# Altium PCB PicoPrint.PcbDoc (part 2 of 3)
Units mm, origin at the board's own origin, x right, y up, seen from the top; angles counter-clockwise.
Board outline 110 x 64 mm, 4 copper layers (Component Side, Ground Plane, Power Plane, Solder Side), stack 0.844 mm thick; 295 components, 209 nets, 1313 pads, 473 vias.
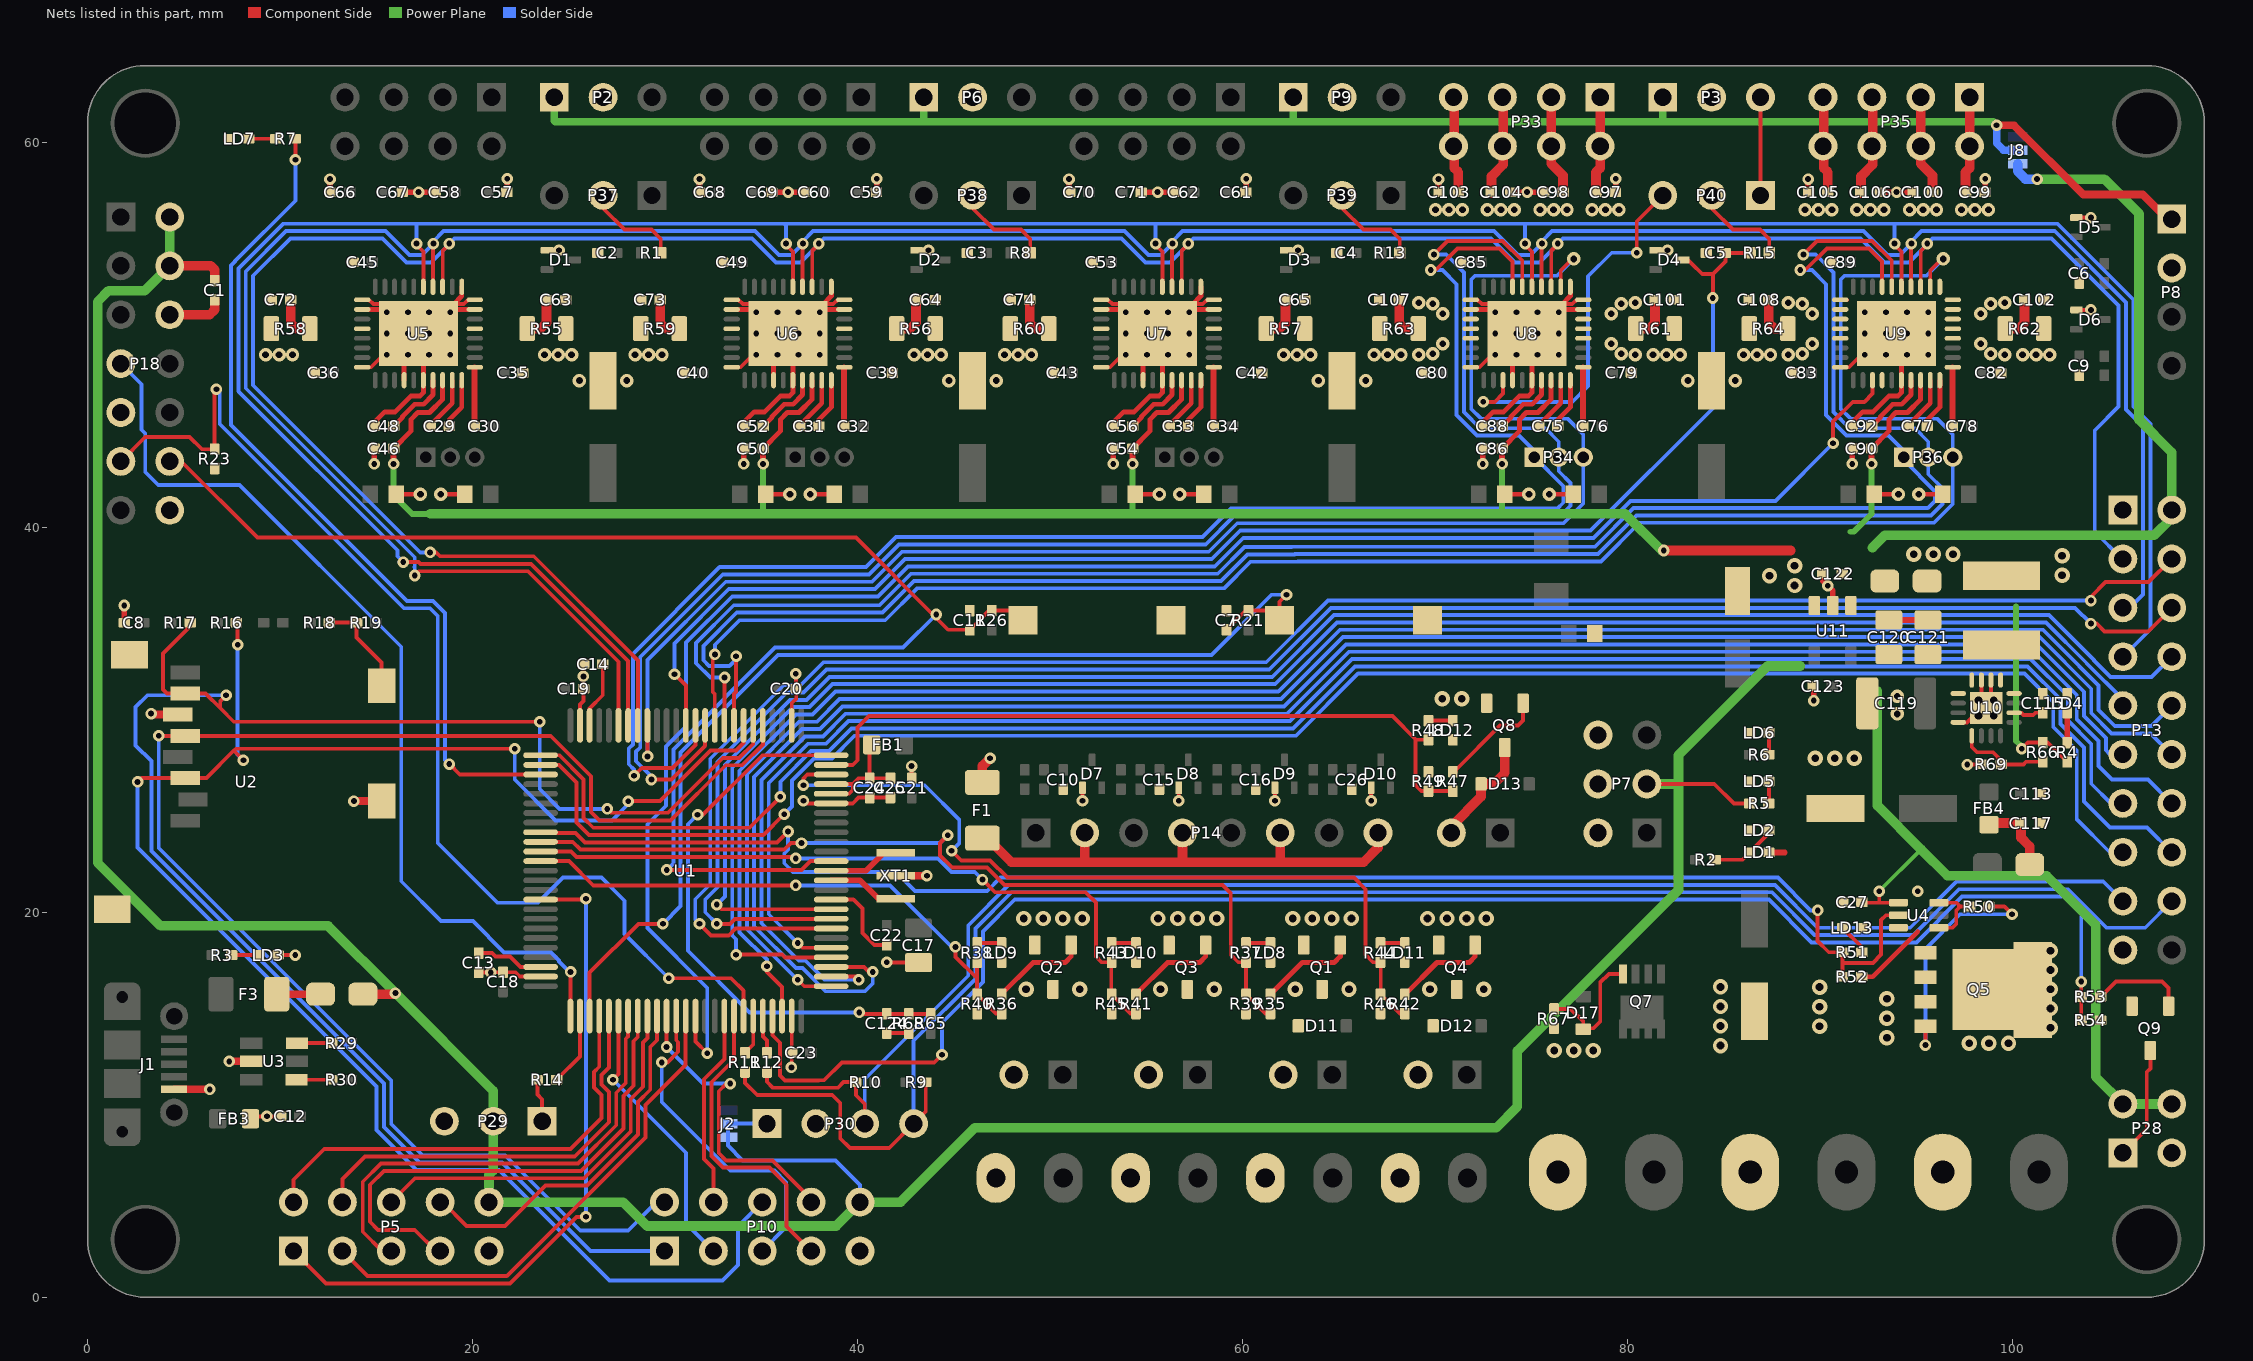
[diagram p4: the nets of this part, all layers, seen from the top]

## Via types
v1: diameter 0.6, hole 0.3, Component Side to Solder Side, tented both sides, 217 vias
v2: diameter 0.7, hole 0.35, Component Side to Solder Side, tented both sides, 180 vias
v3: diameter 0.8, hole 0.4, Component Side to Solder Side, tented both sides, 76 vias

## Nets (pads, with @x,y where several pads share a name; then routed paths per layer and width w, separated by ;. In a path a pad name is that pad's centre, name@x,y a point inside that pad or via, vN(x,y) a via of type N, cw(c..) or ccw(c..) an arc to the next point about the centre after c; other vN are vias at no path point) (continued)
+5V: C1.2 C27.1 C46.2 C50.2 C54.2 C86.2 C90.2 C122.2 D14.K D16.K J2.3 J8.3 P5.10 P7.3 P10.10 P13.2 P18.2 P18.4 P28.2 P28.4 P29.2 R5.2 U4.1 U5.26 U6.26 U7.26 U8.26 U9.26 U11.1 U11.3 | length 370.5
  Component Side w0.2: P7.3@81.026,26.67 84.53,26.67 85.546,25.654 R5.2@86.368,25.654 ; C27.1@92.194,20.523 92.217,20.5 93.1,20.5 ; v1(93.1,21.1) 93.1,20.5 ; U4.1@94.1,20.5 93.1,20.5
  Component Side w0.25: C46.2@15.9,44.1 16.8,45 16.8,45.6 17.17,45.97 17.77,45.97 18.45,46.65 U5.26@18.45,47.65 ; C50.2@35.1,44.1 36,45 36,45.6 36.37,45.97 36.97,45.97 37.65,46.65 U6.26@37.65,47.65 ; C54.2@54.3,44.1 55.2,45 55.2,45.6 55.57,45.97 56.17,45.97 56.85,46.65 U7.26@56.85,47.65 ; C86.2@73.5,44.1 74.4,45 74.4,45.6 74.77,45.97 75.37,45.97 76.05,46.65 U8.26@76.05,47.65 ; C90.2@92.7,44.1 93.6,45 93.6,45.6 93.97,45.97 94.57,45.97 95.25,46.65 U9.26@95.25,47.65
  Component Side w0.3: v1(15.9,43.3) C46.2@15.9,44.1 ; v1(35.1,43.3) C50.2@35.1,44.1 ; v1(54.3,43.3) C54.2@54.3,44.1 ; v1(73.5,43.3) C86.2@73.5,44.1 ; v1(92.7,43.3) C90.2@92.7,44.1
  Component Side w0.5: P18.4@4.27,53.59 6.41,53.59 6.604,53.396 C1.2@6.604,52.824 ; D14.K@14.308,15.748 15.948,15.748 v1(16,15.8) ; v1(81.9,38.8) 88.5,38.8
  Power Plane w0.2: v1(93.1,21.1) 95.271,23.271
  Power Plane w0.3: v1(15.9,43.3) 15.9,41.675 16.875,40.7 17.8,40.7 ; 35.1,40.7 v1(35.1,43.3) ; v1(54.3,43.3) 54.3,40.8 54.4,40.7 ; 55.7,40.7 55.8,40.8 ; 73.5,40.7 v1(73.5,43.3) ; 75,40.8 75.1,40.7 ; 91.6,39.775 91.775,39.775 92.7,40.7 v1(92.7,43.3)
  Power Plane w0.5: P18.2@4.27,56.13 P18.4@4.27,53.59 2.98,52.3 1.1,52.3 0.53,51.73 0.53,22.57 3.8,19.3 12.5,19.3 v1(16,15.8) 21.082,10.718 P29.2@21.082,9.144 21.082,6.582 20.862,6.362 P5.10@20.862,4.94 27.835,4.94 29.075,3.7 38.9,3.7 P10.10@40.142,4.942 42.242,4.942 46.1,8.8 73.2,8.8 74.3,9.9 74.3,12.8 82.67,21.17 82.67,26.67 ; 17.8,40.7 35.1,40.7 36.6,40.7 54.4,40.7 55.7,40.7 73.5,40.7 75.1,40.7 79.9,40.7 81.8,38.8 v1(81.9,38.8) ; P7.3@81.026,26.67 82.67,26.67 ; 89,32.8 87.3,32.8 82.67,28.17 82.67,26.67 ; 92.75,38.95 93.4,39.6 107.4,39.6 108.3,40.5 P13.2@108.3,40.9 108.3,43.9 106.6,45.6 106.6,56.3 104.8,58.1 v1(101.3,58.1) ; 93,31.5 93,25.541 95.271,23.271 96.641,21.9 101.8,21.9 104.35,19.35 104.35,11.45 P28.2@105.76,10.04 P28.4@108.3,10.04
  Solder Side w0.2: 33.274,9.017 J2.3@33.274,8.317 33.274,7.874 34.036,7.112 38.862,7.112 40.142,5.832 P10.10@40.142,4.942
  Solder Side w0.5: J8.3@100.3,58.9 100.3,58.5 100.7,58.1 v1(101.3,58.1)
  other v3: 88.7,36.984 88.7,38
+5V_DCDC: C120.2 C121.2 D16.A L2.2 R4.2 R66.2 | length 12.5
  Component Side w0.2: v1(100.5,28.5) 100.821,28.821 R66.2@101.6,28.821 101.854,28.821 R4.2@102.854,27.821
  Component Side w0.3: C120.2@93.599,35.19 C121.2@95.631,35.19 ; R4.2@102.854,27.821 R4.2@102.87,27.821
  Power Plane w0.3: 100.203,35.894 100.203,28.903 100.5,28.606 v1(100.5,28.5)
  other v3: 102.6,37.516 102.6,38.532 94.9,38.6 95.916,38.6 96.932,38.6
+ES_VDD: J8.2 P2.1 P3.1 P6.1 P8.1 P9.1 | length 93.4
  Component Side w0.4: v1(99.2,60.9) 100.1,60.9 103.7,57.3 106.8,57.3 108.08,56.02 P8.1@108.3,56.02
  Power Plane w0.4: P2.1@24.25,62.35 24.25,61.125 24.3,61.075 43.45,61.075 ; P6.1@43.45,62.35 43.45,61.075 ; P9.1@62.65,62.35 62.65,61.125 62.6,61.075 ; P3.1@81.85,62.35 81.85,61.125 81.8,61.075 ; v1(99.2,60.9) 99.025,61.075 81.8,61.075 ; 43.45,61.075 62.6,61.075 ; 62.6,61.075 81.8,61.075
  Solder Side w0.4: v1(99.2,60.9) 99.2,59.96 99.56,59.6 J8.2@100.3,59.6
AGND: F1.2 P14.2 P14.4 P14.6 P14.8 | length 26.2
  Component Side w0.5: F1.2@46.5,23.85 46.75,23.85 48,22.6 66.3,22.6 67.056,23.356 P14.8@67.056,24.13 ; 51.816,22.7 P14.2@51.816,24.13 ; P14.4@56.896,24.13 56.896,22.804 56.9,22.8 ; 61.976,22.824 P14.6@61.976,24.13
BEEPER: P5.1 U1.66 | length 36.2
  Component Side w0.2: P5.1@10.702,2.4 12.382,0.72 21.944,0.72 25.399,4.175 v1(25.9,4.175) ; U1.66@23.54,20.66 25.86,20.66 v1(25.9,20.7)
  Solder Side w0.2: v1(25.9,4.175) v1(25.9,20.7)
BOOT0: P18.11 R23.2 U1.94 | length 60.4
  Component Side w0.2: P18.11@1.73,43.43 3,44.7 5.3,44.7 5.939,44.061 R23.2@6.604,44.061 6.604,47.079 v1(6.7,47.175) ; v1(30.2,16.575) 33.442,16.575 34.09,15.927 U1.94@34.09,14.61
  Solder Side w0.2: v1(6.7,47.175) 6.868,47.007 6.868,45.382 16.45,35.8 17.8,35.8 18.2,35.4 18.2,23.6 21.3,20.5 21.848,20.5 23.4,20.5 24.7,21.8 26.7,21.8 27.9,20.6 27.9,18.875 v1(30.2,16.575)
BTN_EN1: P10.5 U1.87 | length 17.3
  Component Side w0.2: v1(29.839,12.2) 30.139,12.2 30.69,12.751 30.69,13.249 30.59,13.349 U1.87@30.59,14.61
  Solder Side w0.2: v1(29.839,12.2) 29.839,10.136 33.4,6.575 35.7,6.575 36.3,5.975 36.3,3.64 P10.5@35.062,2.402
BTN_EN2: P10.3 U1.81 | length 14.5
  Component Side w0.2: v1(27.3,11.3) 27.59,11.59 U1.81@27.59,14.61
  Solder Side w0.2: v1(27.3,11.3) 31.092,7.508 31.092,3.832 P10.3@32.522,2.402
BTN_ENC: P5.2 U1.79 | length 24.1
  Component Side w0.2: P5.2@10.702,4.94 10.702,6.102 12.3,7.7 25.1,7.7 26.71,9.31 26.71,10.504 26.32,10.894 26.32,11.706 26.59,11.976 U1.79@26.59,14.61
E0_CS: P34.3 U1.42 U8.2 | length 83
  Component Side w0.2: U1.42@29.09,29.71 29.1,29.7 v1(29.1,28.1) ; U8.2@76.55,52.5 76.554,52.504 76.554,53.354 77.188,53.987 77.225,54.025 v2(77.225,53.95)
  Solder Side w0.2: v1(29.1,28.1) 29.1,33.112 33.163,37.175 40.762,37.175 42.322,38.735 58.259,38.735 59.739,40.215 76.69,40.215 77.72,41.245 P34.3@77.72,43.65 77.72,44.83 76.9,45.65 73.8,45.65 72.4,45.65 71.9,46.15 71.9,52.875 72.1,53.075 76.35,53.075 v2(77.225,53.95) v2@77.225,54.025
E0_DIAG1: P40.3 U8.21 | length 20
  Component Side w0.2: v1(72.525,46.525) 73.125,46.525 73.55,46.95 U8.21@73.55,47.65 ; v1(80.5,54.275) 80.5,55.9 P40.3@81.85,57.25
  Solder Side w0.2: v1(72.525,46.525) 77.15,46.525 77.975,47.35 77.975,53.05 79.2,54.275 v1(80.5,54.275)
E0_DIR: P34.1 U1.37 U8.7 | length 85.9
  Component Side w0.2: v1(28.4,27.1) 28.8,27.5 30.402,27.5 31.59,28.688 U1.37@31.59,29.71 ; v1(69.793,53.375) 70.055,53.375 71.18,54.5 73.375,54.5 74.05,53.825 U8.7@74.05,52.5
  Solder Side w0.2: v1(28.4,27.1) 28.4,27.414 28.12,27.694 28.12,28.506 28.34,28.726 28.34,33.427 32.848,37.935 40.447,37.935 42.007,39.495 57.945,39.495 59.425,40.975 76.375,40.975 76.68,41.28 76.68,42.15 P34.1@75.18,43.65 75.18,43.97 74.38,44.77 72.206,44.77 71.14,45.835 71.14,52.635 70.4,53.375 v1(69.793,53.375)
E0_MOT_1A: C98.2 P33.3 P33.4 U8.32 | length 5.2
  Component Side w0.5: P33.3@76.06,62.35 P33.4@76.06,59.81 76.06,58.89 76.667,58.283 C98.2@76.667,57.414
  other v2: 80.425,48.975 79.7,49.025 79.175,49.55 75.476,56.5 76.176,56.5 76.876,56.5
E0_MOT_1B: C97.2 P33.1 P33.2 U8.34 | length 5
  Component Side w0.5: C97.2@78.384,57.414 78.384,58.459 78.6,58.675 P33.2@78.6,59.81 P33.1@78.6,62.35
  other v2: 79.175,51.1 79.7,51.625 80.425,51.675 78.175,56.5 78.875,56.5 79.575,56.5
E0_MOT_2A: C104.1 P33.5 P33.6 U8.13 | length 5.3
  Component Side w0.25: C104.1@72.871,57.414 C104.1@72.951,57.414
  Component Side w0.5: C104.1@72.955,57.375 72.955,58.244 73.562,58.851 P33.5@73.562,62.311
  other v2: 70.425,51.1 69.9,51.625 69.175,51.675 72.742,56.5 73.442,56.5 74.142,56.5
E0_MOT_2B: C103.1 P33.7 P33.8 U8.15 | length 5.1
  Component Side w0.25: C103.1@71.154,57.414 C103.1@71.234,57.414
  Component Side w0.5: P33.7@71.018,62.35 71.018,58.675 71.234,58.459 C103.1@71.234,57.414
  other v2: 69.175,48.975 69.9,49.025 70.425,49.55 70.043,56.5 70.743,56.5 71.443,56.5
E0_STEP: P34.2 U1.36 U8.6 | length 88
  Component Side w0.2: v1(29.3,26.9) 30.339,26.9 32.09,28.651 U1.36@32.09,29.71 ; v1(69.963,54.175) 70.668,54.88 73.532,54.88 74.55,53.862 U8.6@74.55,52.5
  Solder Side w0.2: v1(29.3,26.9) 29.3,27.051 28.5,27.851 28.5,28.348 28.72,28.568 28.72,33.27 33.005,37.555 40.604,37.555 42.164,39.115 58.102,39.115 59.582,40.595 76.532,40.595 77.06,41.123 77.06,42.307 76.45,42.917 P34.2@76.45,43.65 76.45,44.45 75.75,45.15 72.363,45.15 71.52,45.993 71.52,53.255 70.6,54.175 v1(69.963,54.175)
E1_CS: P36.3 U1.35 U9.2 | length 96.1
  Component Side w0.2: U1.35@32.59,29.71 32.59,31.342 32.49,31.441 32.49,33.29 v1(32.6,33.4) ; U9.2@95.75,52.5 95.754,52.504 95.754,53.354 96.388,53.987 96.425,54.025 v2(96.425,53.95)
  Solder Side w0.2: v1(32.6,33.4) 32.6,33.9 33.875,35.175 41.449,35.175 43.109,36.835 59.046,36.835 60.426,38.215 62.872,38.215 62.892,38.235 78.647,38.235 80.652,40.24 95.94,40.24 96.92,41.22 P36.3@96.92,43.65 96.92,44.83 96.1,45.65 93,45.65 91.6,45.65 91.1,46.15 91.1,52.875 91.3,53.075 95.55,53.075 v2(96.425,53.95) v2@96.425,54.025
E1_DIAG1: U1.89 U9.21 | length 94
  Component Side w0.2: U1.89@31.59,14.61 31.59,13.285 v1(32.2,12.675) ; v1(90.7,44.375) 90.7,45.5 91.725,46.525 92.325,46.525 92.75,46.95 U9.21@92.75,47.65
  Solder Side w0.2: v1(32.2,12.675) 32.2,16.075 29.1,19.175 29.1,24.575 30.06,25.535 30.06,28.624 31.1,29.664 31.1,34.012 33.503,36.415 41.077,36.415 42.637,37.975 58.574,37.975 60.054,39.455 78.255,39.455 80.18,41.38 87.705,41.38 v1(90.7,44.375)
E1_DIR: P36.1 U1.34 U9.7 | length 95.6
  Component Side w0.2: U1.34@33.09,29.71 33.1,29.72 v1(33.1,32.2) ; v1(88.993,53.375) 89.255,53.375 90.38,54.5 92.575,54.5 93.25,53.825 U9.7@93.25,52.5
  Solder Side w0.2: v1(33.1,32.2) 32.363,32.2 31.62,32.943 31.62,33.995 33.58,35.955 41.154,35.955 42.794,37.595 58.732,37.595 60.112,38.975 62.557,38.975 62.577,38.995 78.332,38.995 80.337,41 95.625,41 96,41.375 96,41.875 94.38,43.495 P36.1@94.38,43.65 94.38,43.97 93.58,44.77 91.406,44.77 90.34,45.835 90.34,52.635 89.6,53.375 v1(88.993,53.375)
E1_MOT_1A: C100.2 P35.3 P35.4 U9.32 | length 5.2
  Component Side w0.5: P35.3@95.26,62.35 P35.4@95.26,59.81 95.26,58.89 95.867,58.283 C100.2@95.867,57.414
  other v2: 99.625,48.975 98.9,49.025 98.375,49.55 94.676,56.5 95.376,56.5 96.076,56.5
E1_MOT_1B: C99.2 P35.1 P35.2 U9.34 | length 5
  Component Side w0.5: C99.2@97.584,57.414 97.584,58.459 97.8,58.675 P35.2@97.8,59.81 P35.1@97.8,62.35
  other v2: 98.375,51.1 98.9,51.625 99.625,51.675 97.375,56.5 98.075,56.5 98.775,56.5
E1_MOT_2A: C106.1 P35.5 P35.6 U9.13 | length 5.3
  Component Side w0.25: C106.1@92.071,57.414 C106.1@92.151,57.414
  Component Side w0.5: C106.1@92.155,57.375 92.155,58.244 92.762,58.851 P35.5@92.762,62.311
  other v2: 89.625,51.1 89.1,51.625 88.375,51.675 91.942,56.5 92.642,56.5 93.342,56.5
E1_MOT_2B: C105.1 P35.7 P35.8 U9.15 | length 5.1
  Component Side w0.25: C105.1@90.354,57.414 C105.1@90.434,57.414
  Component Side w0.5: P35.7@90.218,62.35 90.218,58.675 90.434,58.459 C105.1@90.434,57.414
  other v2: 88.375,48.975 89.1,49.025 89.625,49.55 89.243,56.5 89.943,56.5 90.643,56.5
E1_STEP: P36.2 U1.33 U9.6 | length 98.9
  Component Side w0.2: U1.33@33.59,29.71 33.59,31.341 33.69,31.441 33.69,31.941 33.7,31.951 v1(33.7,33.3) ; v1(89.163,54.175) 89.868,54.88 92.732,54.88 93.75,53.862 U9.6@93.75,52.5
  Solder Side w0.2: v1(33.7,33.3) 33.7,33.151 33.349,32.8 32.3,32.8 32,33.1 32,33.837 33.738,35.575 41.311,35.575 42.951,37.215 58.889,37.215 60.269,38.595 62.715,38.595 62.735,38.615 78.49,38.615 80.495,40.62 95.782,40.62 96.38,41.218 96.38,42.032 95.65,42.762 P36.2@95.65,43.65 95.65,44.45 94.95,45.15 91.563,45.15 90.72,45.993 90.72,53.255 89.8,54.175 v1(89.163,54.175)
E2_CS: P13.8 U1.9 | length 93.7
  Component Side w0.2: v1(32.7,20.4) 32.94,20.16 U1.9@38.64,20.16
  Solder Side w0.2: v1(32.7,20.4) 33.12,20.82 33.12,27.668 36.492,31.04 37.363,31.04 38.558,32.235 61.561,32.235 64.766,35.44 101.922,35.44 104.26,33.102 104.26,33.091 105.121,32.23 107.25,32.23 P13.8@108.3,33.28
E2_DIR: P13.6 U1.8 | length 94.9
  Component Side w0.2: v1(32.7,19.4) 33.38,19.4 33.64,19.66 U1.8@38.64,19.66 ; v1(104.1,35) 104.4,35 104.8,34.6 107.08,34.6 P13.6@108.3,35.82
  Solder Side w0.2: v1(32.7,19.4) 32.1,20 32.1,20.663 32.74,21.303 32.74,27.825 36.335,31.42 37.206,31.42 38.401,32.615 61.403,32.615 64.608,35.82 103.28,35.82 v1(104.1,35)
E2_STEP: P13.4 U1.7 | length 96.6
  Component Side w0.2: v1(31.8,19.4) 32.4,18.8 33.317,18.8 33.677,19.16 U1.7@38.64,19.16 ; v1(104.1,36.2) 104.1,36.4 104.86,37.16 107.1,37.16 P13.4@108.3,38.36
  Solder Side w0.2: v1(31.8,19.4) 31.58,19.62 31.58,20.68 32.36,21.46 32.36,27.982 36.177,31.8 37.049,31.8 38.244,32.995 61.246,32.995 64.451,36.2 v1(104.1,36.2)
E3_CS: P13.13 U1.5 | length 88.9
  Component Side w0.2: v1(36.9,18.4) 37.14,18.16 U1.5@38.64,18.16
  Solder Side w0.2: v1(36.9,18.4) 35.4,19.9 35.4,26.723 37.437,28.76 38.372,28.76 39.547,29.935 62.485,29.935 65.71,33.16 100.967,33.16 102.9,31.227 102.9,29.965 104.12,28.745 104.12,26.68 105.14,25.66 P13.13@105.76,25.66
E3_DIR: P13.11 U1.3 | length 95.8
  Component Side w0.2: U1.3@38.64,17.16 40.34,17.16 40.6,16.9 v1(40.8,16.9)
  Solder Side w0.2: v1(40.8,16.9) 40.8,16.3 40.4,15.9 38.349,15.9 37.149,17.1 36.814,17.1 34.64,19.274 34.64,27.038 37.122,29.52 38.057,29.52 39.232,30.695 62.17,30.695 65.395,33.92 101.282,33.92 103.74,31.462 103.74,30.2 104.88,29.06 104.88,28.42 105.1,28.2 P13.11@105.76,28.2
E3_STEP: P13.9 U1.4 | length 92.2
  Component Side w0.2: v1(33.7,17.8) 36.1,17.8 36.24,17.66 U1.4@38.64,17.66
  Solder Side w0.2: v1(33.7,17.8) 33.7,18.602 33.5,18.802 33.5,27.51 36.65,30.66 37.521,30.66 38.716,31.855 61.718,31.855 64.923,35.06 101.764,35.06 103.88,32.944 103.88,32.934 105.76,31.054 P13.9@105.76,30.74
E4_CS: P13.14 U1.2 | length 96
  Component Side w0.2: U1.2@38.64,16.66 39.94,16.66 40.069,16.531 v1(40.069,16.5)
  Solder Side w0.2: v1(40.069,16.5) 38.286,16.5 37.306,17.48 36.971,17.48 35.02,19.432 35.02,26.881 37.279,29.14 38.215,29.14 39.39,30.315 62.328,30.315 65.553,33.54 101.124,33.54 103.36,31.304 103.36,30.043 104.5,28.903 104.5,27.6 105.2,26.9 107.06,26.9 P13.14@108.3,25.66
E4_DIR: P13.12 U1.1 | length 93.9
  Component Side w0.2: v1(36.9,16.5) 37.24,16.16 U1.1@38.64,16.16
  Solder Side w0.2: v1(36.9,16.5) 36.877,16.5 34.26,19.117 34.26,27.195 36.964,29.9 37.9,29.9 39.075,31.075 62.013,31.075 65.238,34.3 101.439,34.3 104.12,31.619 104.12,30.358 105.178,29.3 107.2,29.3 P13.12@108.3,28.2
E4_STEP: P13.10 U1.98 | length 94.4
  Component Side w0.2: v1(35.3,17.2) 35.3,16.9 36.09,16.11 U1.98@36.09,14.61
  Solder Side w0.2: v1(35.3,17.2) 35.3,17.539 33.88,18.959 33.88,27.353 36.807,30.28 37.678,30.28 38.873,31.475 61.876,31.475 65.081,34.68 101.607,34.68 103.5,32.787 103.5,32.777 104.5,31.777 104.5,30.515 105.335,29.68 107.24,29.68 P13.10@108.3,30.74
E_STOP: C5.2 D4.3 R15.2 U1.38 | length 74.8
  Component Side w0.2: v1(30.5,32.375) 31.09,31.785 U1.38@31.09,29.71 ; D4.3@83.216,53.852 83.432,53.636 ; 83.347,53.722 83.904,53.164 84.454,53.164 ; v1(84.454,51.921) 84.454,53.164 ; R15.2@86.388,54.26 C5.2@85.11,54.26 85.11,53.82 84.454,53.164
  Solder Side w0.2: v1(30.5,32.375) 30.5,33.975 33.32,36.795 40.919,36.795 42.479,38.355 58.417,38.355 59.897,39.835 78.098,39.835 84.454,46.191 v1(84.454,51.921)
E_STOP_CONN: P3.3 P40.1 | length 5.1
  Component Side w0.2: P40.1@86.93,57.25 P3.3@86.93,62.35
F0_PWM: R35.1 R37.2 R39.2 U1.60 | length 46.3
  Component Side w0.2: U1.60@23.54,23.66 25.215,23.66 25.62,23.255 27.878,23.255 36.2,23.255 36.545,23.6 v1(37.1,23.6) ; v1(44.7,24) 44.3,23.6 44.3,22.951 44.931,22.32 46.743,22.32 47.643,21.42 58.98,21.42 59.4,21 59.4,17.8 59.793,17.407 R37.2@60.198,17.407 R39.2@60.198,15.74 61.198,14.74 R35.1@61.468,14.74
  Solder Side w0.2: v1(37.1,23.6) 44.3,23.6 v1(44.7,24)
F1_PWM: R42.1 R44.2 R46.2 U1.23 | length 42.5
  Component Side w0.2: v1(37.2,26.6) 37.2,26.96 37.4,27.16 U1.23@38.64,27.16 ; v1(44.9,23.2) 45.4,22.7 46.9,22.7 47.8,21.8 65.8,21.8 66.4,21.2 66.4,17.8 66.793,17.407 R44.2@67.183,17.407 ; R44.2@67.198,17.407 67.198,15.74 68.198,14.74 R42.1@68.453,14.74 R42.1@68.468,14.74
  Solder Side w0.2: v1(37.2,26.6) 43.5,26.6 45.3,24.8 45.3,23.6 v1(44.9,23.2)
F2_PWM: R47.1 R48.2 R49.2 U1.24 | length 38.1
  Component Side w0.2: U1.24@38.64,27.66 39.76,27.66 40,27.9 40,29.6 40.6,30.2 67.8,30.2 69.036,28.964 ; R48.2@69.678,28.964 69.036,28.964 ; R47.1@70.948,26.297 R49.2@69.678,26.297 69.303,26.297 69,26.6 69,28.928 69.036,28.964
FAN0: D11.A P19.2 P22.2 Q1.3
  other v3: 62.753,15.995 65.547,15.995
FAN1: D12.A P24.2 P26.2 Q4.3
  other v3: 69.753,15.995 72.547,15.995
FAN2: D13.A P32.2 Q8.3 | length 6
  Component Side w0.5: P32.2@70.866,24.13 70.866,24.466 72.41,26.01 D13.A@72.41,26.67 73.07,26.67 73.645,27.245 Q8.3@73.645,28.568
GND: C1.1 C2.1 C3.1 C4.1 C5.1 C6.1 C7.1 C8.1 C9.1 C10.1 C11.1 C12.1 C13.1 C14.1 C15.1 C16.1 C17.1 C18.1 C19.1 C20.1 C21.1 C22.1 C23.1 C24.1 C25.1 C26.1 C27.2 C35.2 C36.2 C37.1 C38.1 C39.2 C40.2 C41.1 C42.2 C43.2 C44.1 C45.1 C46.1 C48.1 C49.1 C50.1 C52.1 C53.1 C54.1 C56.1 C57.1 C58.1 C59.1 C60.1 C61.1 C62.1 C63.2 C64.2 C65.2 C66.2 C67.2 C68.2 C69.2 C70.2 C71.2 C72.2 C73.2 C74.2 C79.2 C80.2 C81.1 C82.2 C83.2 C84.1 C85.1 C86.1 C88.1 C89.1 C90.1 C92.1 C93.2 C94.2 C95.2 C96.2 C97.1 C98.1 C99.1 C100.1 C101.2 C102.2 C103.2 C104.2 C105.2 C106.2 C107.2 C108.2 C110.1 C112.2 C113.1 C114.1 C116.2 C117.1 C118.2 C119.1 C120.1 C121.1 C122.1 C123.1 C124.1 C125.1 C126.1 C127.1 D1.1 D2.1 D3.1 D4.1 D5.1 D6.1 D7.1 D8.1 D9.1 D10.1 F1.1 FB3.2 J1.GND LD1.1 LD2.2 LD3.2 LD4.2 LD5.2 LD6.2 LD7.2 LD8.2 LD9.2 LD10.2 LD11.2 LD12.2 LD13.2 P1.1 P2.2 P3.2 P5.9 P6.2 P7.2 P7.4 P7.6 P8.2 P9.2 P10.9 P13.1 P13.19 P18.6 P18.9 P18.14 P28.3 P29.3 P30.2 Q1.2 Q2.2 Q3.2 Q4.2 Q8.2 Q9.2 R23.1 R39.1 R40.1 R45.1 R46.1 R49.1 R52.1 R54.1 R55.1 R56.1 R57.1 R58.1 R59.1 R60.1 R61.1 R62.1 R63.1 R64.1 R67.1 R68.1 R69.1 S1.2 S2.2 U1.10 U1.20 U1.27 U1.49 U1.74 U1.99 U2.6 U2.CD2 U2.MT1 U2.MT2 U3.2 U4.3 U5.1 U5.11 U5.12 U5.18 U5.22 U5.24 U5.35 U5.36 U5.37 U6.1 U6.11 U6.12 U6.18 U6.22 U6.24 U6.35 U6.36 U6.37 U7.1 U7.11 U7.12 U7.18 U7.22 U7.24 U7.35 U7.36 U7.37 U8.1 U8.11 U8.12 U8.18 U8.22 U8.24 U8.35 U8.36 U8.37 U9.1 U9.11 U9.12 U9.18 U9.22 U9.24 U9.35 U9.36 U9.37 U10.4 U10.14 U10.15 U10.17 U11.2 XT1.2 | length 193
  Component Side w0.2: FB3.2@8.47,9.271 8.597,9.398 v1(9.319,9.398) C12.1@10.041,9.398 ; LD3.2@9.898,17.78 v1(10.795,17.78) ; U5.18@14.275,48.325 14.724,48.325 16.474,50.075 U5.37@16.65,50.075 U5.37@17.2,50.075 ; U5.11@14.275,51.825 14.625,51.825 14.85,51.6 15.45,51.6 U5.37@15.45,51.325 ; U5.37@15.95,51.325 U5.37@17.2,50.075 ; U5.37@16.45,49.325 U5.37@17.2,50.075 ; U5.37@18.45,51.325 U5.37@17.2,50.075 ; U5.37@19.025,51.6 19.55,51.6 U5.36@19.775,51.825 ; C13.1@20.32,16.883 20.328,16.875 v1(20.955,16.875) ; v1@20.963,16.883 C18.1@21.59,16.883 22.233,16.883 22.456,16.66 U1.74@23.54,16.66 ; U1.49@25.59,29.71 25.59,30.797 25.773,30.98 C19.1@25.773,31.623 C14.1@25.773,32.893 ; U6.18@33.475,48.325 33.924,48.325 35.674,50.075 U6.37@35.85,50.075 U6.37@36.4,50.075 ; U6.11@33.475,51.825 33.825,51.825 34.05,51.6 34.65,51.6 U6.37@34.65,51.325 ; U6.37@35.15,51.325 U6.37@36.4,50.075 ; U6.37@35.65,49.325 U6.37@36.4,50.075 ; v1(36.576,11.938) 36.59,11.952 C23.1@36.59,12.705 U1.99@36.59,14.61 ; U1.27@36.59,29.71 36.59,30.875 36.83,31.115 36.83,31.615 C20.1@36.822,31.623 36.822,32.377 v1(36.8,32.4) ; v1(37.2,25.8) 37.34,25.66 U1.20@38.64,25.66 39.76,25.66 40.062,25.962 C24.1@40.64,25.962 C25.1@41.723,25.962 C25.1@41.723,25.962 ; U6.37@37.65,51.325 U6.37@36.4,50.075 ; U6.37@38.225,51.6 38.75,51.6 U6.36@38.975,51.825 ; U1.10@38.64,20.66 39.792,20.66 40.26,20.192 40.26,18.922 40.878,18.304 C22.1@41.529,18.304 ; C124.1@41.529,13.724 R68.1@42.672,13.724 ; v1(41.529,17.399) 41.54,17.388 C17.1@43.18,17.388 ; C21.1@42.82,26.96 v1(42.82,27.6) ; v1(51.7,25.8) D7.1@51.7,26.475 ; U7.18@52.675,48.325 53.124,48.325 54.874,50.075 U7.37@55.05,50.075 U7.37@55.6,50.075 ; U7.11@52.675,51.825 53.025,51.825 53.25,51.6 53.85,51.6 U7.37@53.85,51.325 ; U7.37@54.35,51.325 U7.37@55.6,50.075 ; U7.37@54.85,49.325 U7.37@55.6,50.075 ; v1(56.7,25.8) D8.1@56.7,26.475 ; U7.37@56.85,51.325 U7.37@55.6,50.075 ; U7.37@57.425,51.6 57.95,51.6 U7.36@58.175,51.825 ; v1(61.7,25.8) D9.1@61.7,26.475 ; v1(66.7,25.8) D10.1@66.7,26.475 ; U8.18@71.875,48.325 72.324,48.325 74.074,50.075 U8.37@74.25,50.075 U8.37@74.8,50.075 ; U8.11@71.875,51.825 72.225,51.825 72.45,51.6 73.05,51.6 U8.37@73.05,51.325 ; U8.37@73.55,51.325 U8.37@74.8,50.075 ; U8.37@74.05,49.325 U8.37@74.8,50.075 ; U8.37@76.05,51.325 U8.37@74.8,50.075 ; U8.37@76.625,51.6 77.15,51.6 U8.36@77.375,51.825 ; U9.18@91.075,48.325 91.524,48.325 93.274,50.075 U9.37@93.45,50.075 U9.37@94,50.075 ; U9.11@91.075,51.825 U9.11@91.425,51.825 ; U9.37@92.25,51.325 U9.37@92.25,51.6 ; U10.4@97.207,29.87 97.67,29.87 98.42,30.62 U10.17@98.657,30.62 98.907,30.87 U10.14@98.907,32.07 ; v1(97.678,27.679) 97.685,27.686 R69.1@98.433,27.686 ; U10.17@98.407,31.02 U10.15@98.407,32.07 ; D6.1@103.35,51.3 v1(104.1,51.3) ; D5.1@103.35,56.1 v1(104.1,56.1)